# Altium PCB BW1097.PcbDoc (part 5 of 7)
Units mil, origin at the board's own origin, x right, y up, seen from the top; angles counter-clockwise.
Board outline 4330.71 x 2362.21 mil, 6 copper layers (Top Copper, Signal Layer 1, Signal Layer 2, Signal Layer 3, Signal Layer 4, Bottom Copper), stack 62.873 mil thick; 270 components, 263 nets, 1210 pads, 777 vias.
Unrouted connection lines stored in the file: 24.
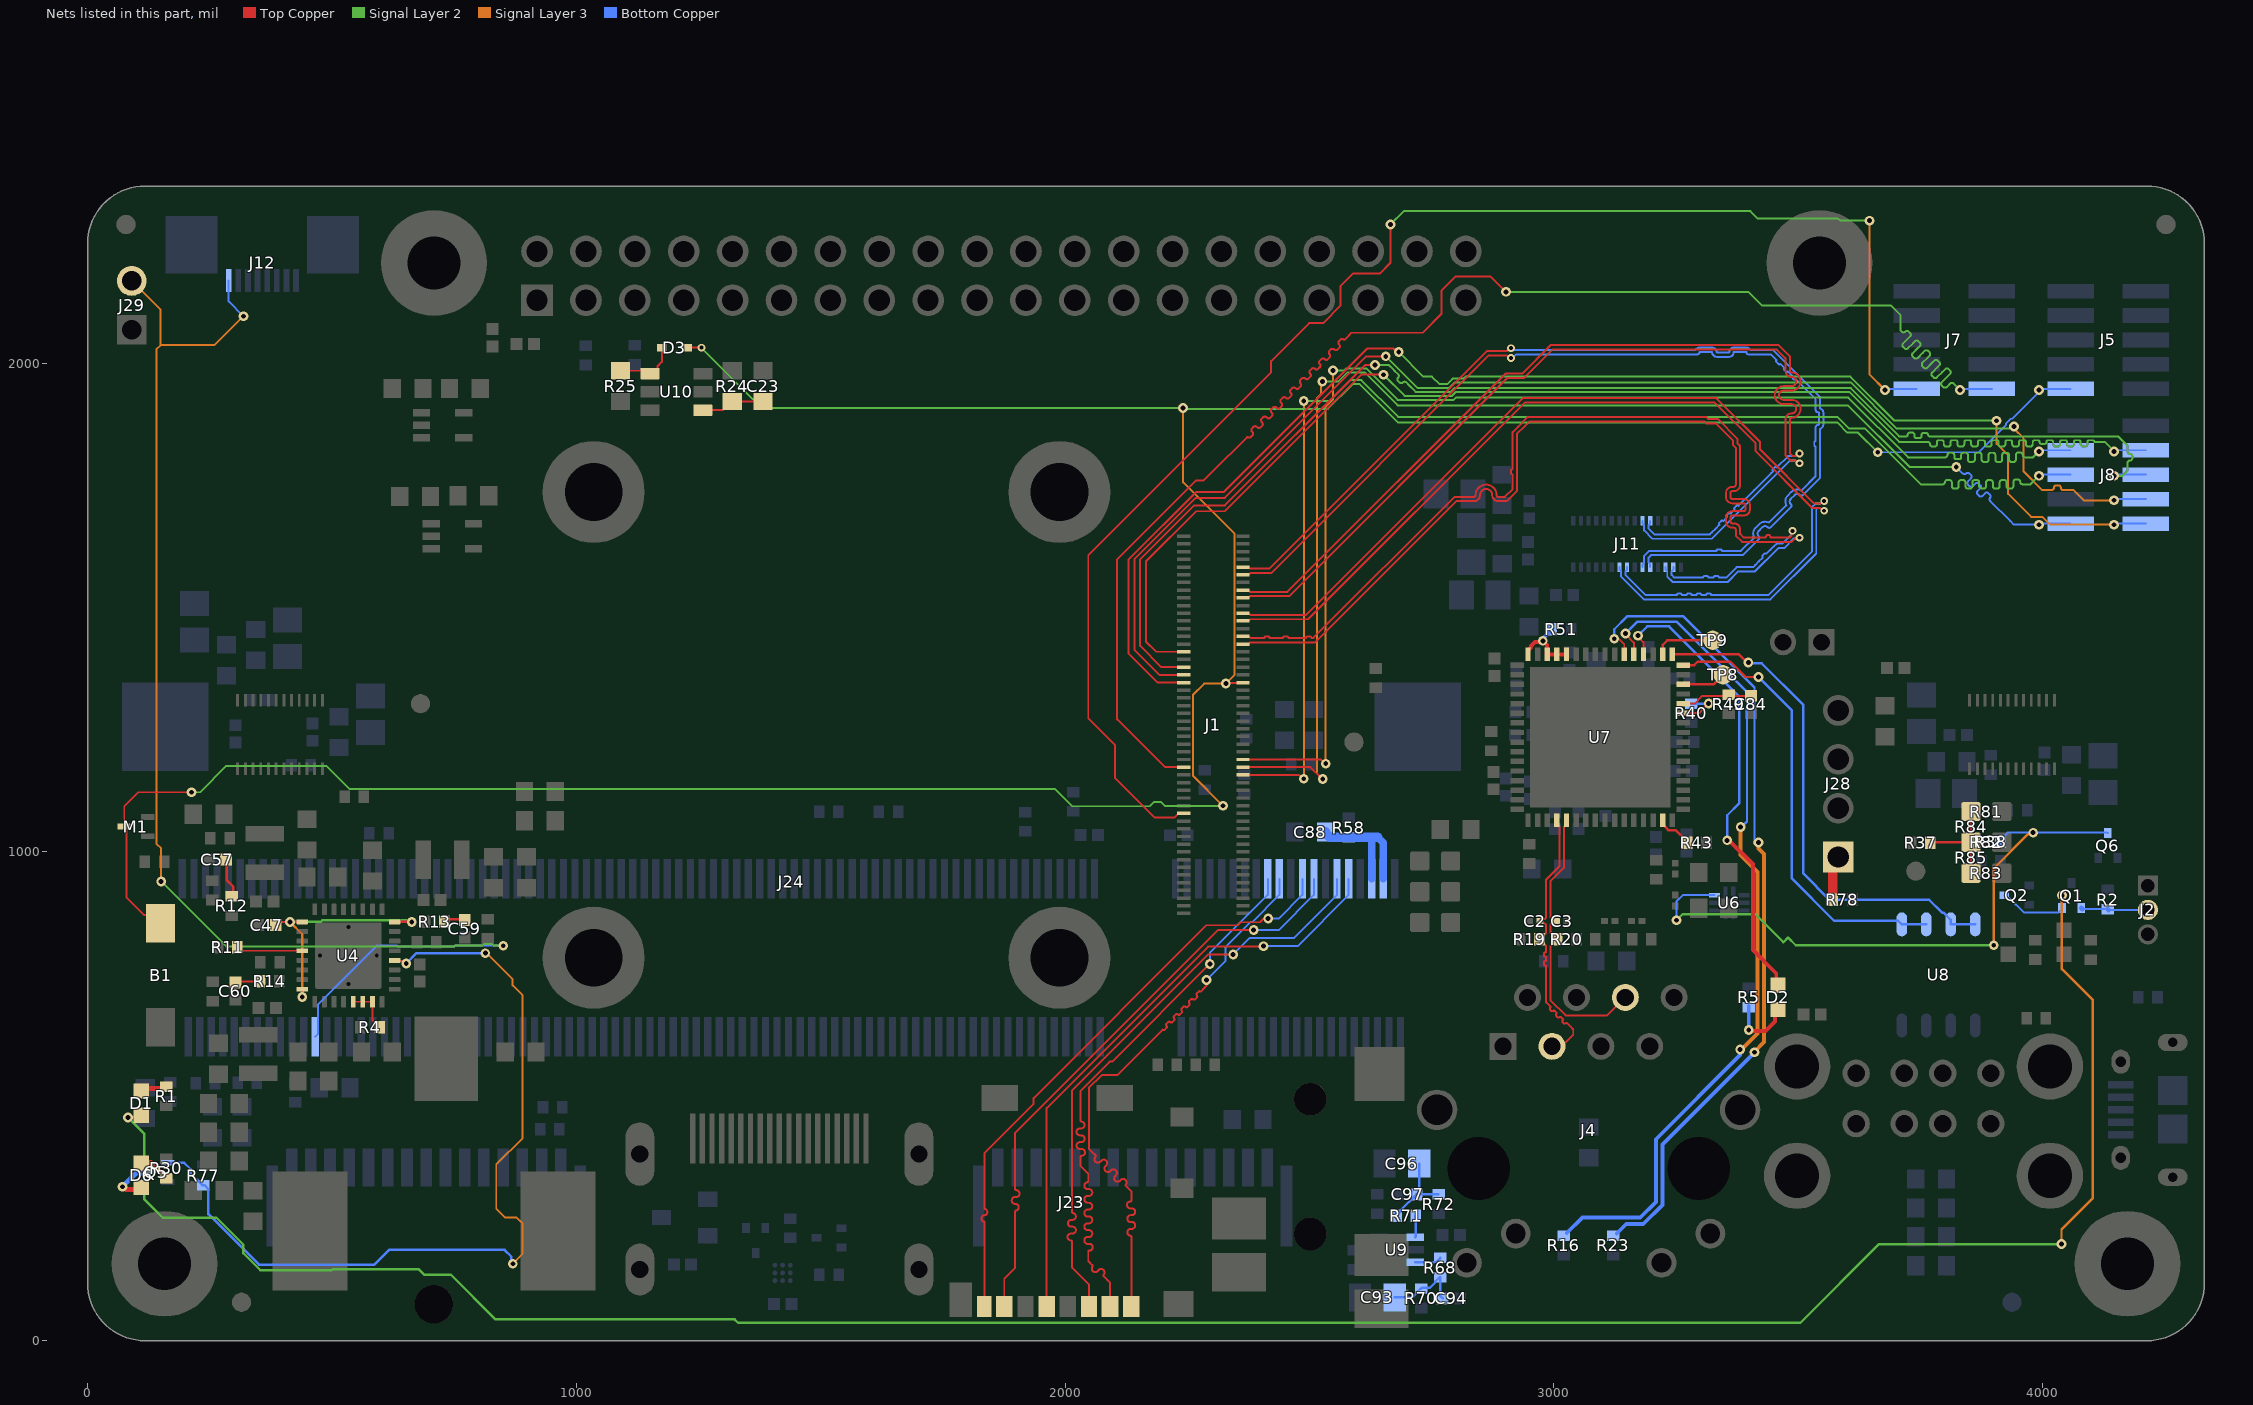
[diagram p9: the nets of this part, all layers, seen from the top]

## Via types
v1: diameter 20, hole 10, Top Copper to Bottom Copper, tented both sides, 657 vias
v2: diameter 16, hole 8, Top Copper to Bottom Copper, tented both sides, 102 vias
v3: diameter 20, hole 10, Top Copper to Bottom Copper, 16 vias
v4: diameter 62.99/0/0/0/0/62.99 (per signal layer), hole 62.99, Top Copper to Bottom Copper, 1 vias
v5: diameter 43.31/50/50/50/50/43.31 (per signal layer), hole 43.31, Top Copper to Bottom Copper, 1 vias

## Nets (pads, with @x,y where several pads share a name; then routed paths per layer and width w, separated by ;. In a path a pad name is that pad's centre, name@x,y a point inside that pad or via, vN(x,y) a via of type N, cw(c..) or ccw(c..) an arc to the next point about the centre after c; other vN are vias at no path point) (continued)
MIPI_RX4_D0_N: J1.9 J11.5 | length 2059.9
  Top Copper w4: J1.9@2364.92,1582.78 2375.35,1582.78 2378.72,1579.4 2417.66,1579.4 2863.18,2024.92 2903.81,2024.92 2909.31,2030.42 v2(2912.16,2030.42)
  Bottom Copper w4: v2(2912.16,2030.42) 2915,2030.42 2918.64,2026.78 3289.72,2026.78 cw(c3298.09,2022.28) 3298.09,2031.78 3323.09,2031.78 cw(c3323.09,2022.28) 3332.59,2022.28 ; J11.5@3196.85,1582.68 3196.85,1588.19 3193.48,1591.56 3193.48,1601.96 3198.46,1606.95 3386.13,1606.95 3418.66,1639.48 ccw(c3415.48,1642.66) 3419.98,1642.66 ccw(c3415.48,1642.66) 3418.64,1645.86 cw(c3423.96,1651.15) 3418.66,1656.45 3426.44,1664.23 cw(c3431.74,1658.93) 3437.04,1664.23 ccw(c3440.23,1667.41) 3443.41,1664.23 3484.4,1705.22 ccw(c3481.22,1708.4) 3485.72,1708.4 ccw(c3481.22,1708.4) 3484.4,1711.59 cw(c3489.7,1716.89) 3484.4,1722.19 3492.18,1729.97 cw(c3497.48,1724.67) 3502.78,1729.97 ccw(c3505.97,1733.15) 3509.15,1729.97 3544.42,1765.24 3544.42,1865.31 ccw(c3539.92,1875.89) 3551.42,1875.89 3551.42,1896.89 ccw(c3539.92,1896.89) 3544.42,1907.47 3544.42,1929.75 3447.39,2026.78 3401.46,2026.78 ccw(c3393.09,2022.28) 3393.09,2031.78 3368.09,2031.78 ccw(c3368.09,2022.28) 3358.59,2022.28 ; 3333.09,2021.78 3358.09,2021.78
MIPI_RX4_D0_P: J1.11 J11.6 | length 2060.9
  Top Copper w4: J1.11@2364.92,1567.03 2375.35,1567.03 2378.72,1570.4 2421.39,1570.4 2866.9,2015.92 2903.81,2015.92 2909.31,2010.42 v2(2912.16,2010.42)
  Bottom Copper w4: v2(2912.16,2010.42) 2915,2010.42 2922.37,2017.78 3293.09,2017.78 ccw(c3293.09,2022.28) 3297.59,2022.28 ; J11.6@3181.1,1582.68 3181.1,1588.19 3184.48,1591.56 3184.48,1605.69 3194.74,1615.95 3326.69,1615.95 3332.19,1615.95 cw(c3335.19,1615.95) 3335.19,1618.95 3340.19,1618.95 cw(c3340.19,1615.95) 3343.19,1615.95 3382.4,1615.95 3383.22,1616.78 3409.56,1643.11 cw(c3423.96,1651.15) 3412.29,1662.82 3420.07,1670.59 cw(c3431.74,1658.93) 3439.78,1673.33 3475.3,1708.85 cw(c3489.7,1716.89) 3478.04,1728.56 3485.81,1736.33 cw(c3497.48,1724.67) 3505.52,1739.07 3535.42,1768.97 3535.42,1799.21 3535.42,1829.14 cw(c3535.42,1832.14) 3532.42,1832.14 3532.42,1837.14 cw(c3535.42,1837.14) 3535.42,1840.14 3535.42,1851.14 3535.42,1856.64 3535.42,1868.89 cw(c3539.92,1868.89) 3539.92,1873.39 ccw(c3539.92,1875.89) 3542.42,1875.89 3542.42,1896.89 ccw(c3539.92,1896.89) 3539.92,1899.39 cw(c3539.92,1903.89) 3535.42,1903.89 3535.42,1926.03 3516.15,1945.29 3494.22,1967.22 cw(c3492.1,1969.34) 3489.98,1967.22 3486.44,1970.76 cw(c3488.56,1972.88) 3486.44,1975 3478.66,1982.78 cw(c3476.54,1984.9) 3474.42,1982.78 3470.88,1986.32 cw(c3473.01,1988.44) 3470.88,1990.56 3463.11,1998.34 cw(c3460.98,2000.46) 3458.86,1998.34 3455.33,2001.87 cw(c3457.45,2003.99) 3455.33,2006.11 3447.55,2013.89 3443.66,2017.78 3398.09,2017.78 cw(c3398.09,2022.28) 3393.59,2022.28 ; 3298.09,2022.78 3323.09,2022.78 ; 3323.59,2022.28 ccw(c3333.09,2022.28) 3333.09,2012.78 3358.09,2012.78 ccw(c3358.09,2022.28) 3367.59,2022.28 ; 3368.09,2022.78 3393.09,2022.78
MIPI_RX4_D1_N: J1.15 J11.26 | length 2062.8
  Top Copper w3.96: 2901.14,1978.63 2913.81,1978.63 ; 2913.83,1978.61 2934.96,1978.61 2992.87,2036.52 3459.76,2036.52 3482.44,2013.83 3482.44,1984.26 ccw(c3486.01,1984.26) 3486.01,1980.69 cw(c3486.01,1962.26) 3504.44,1962.26 cw(c3486.01,1962.26) 3486.01,1943.82 3469.92,1943.82 ccw(c3469.92,1934.34) 3469.92,1924.86 3486.01,1924.86 cw(c3486.01,1906.43) 3504.44,1906.43 cw(c3486.01,1906.43) 3486.01,1887.99 ccw(c3486.01,1884.43) 3482.44,1884.43 3482.44,1815.25 3488.08,1809.61 3493.99,1809.61 3499.51,1815.13 v2(3502.33,1815.13)
  Top Copper w4: J1.15@2364.92,1535.53 2375.1,1535.53 2378.57,1532.06 2454.57,1532.06 2901.14,1978.63
  Bottom Copper w4: J11.26@3196.85,1677.17 3196.85,1671.65 3193.48,1668.28 3193.48,1661.32 3205.19,1649.61 3318.9,1649.61 3322.79,1653.5 3330.57,1661.27 3338.34,1669.05 cw(c3340.46,1671.17) 3338.34,1673.29 3341.88,1676.83 cw(c3344,1674.71) 3346.12,1676.83 3353.9,1684.61 cw(c3356.02,1686.73) 3353.9,1688.85 3357.44,1692.39 cw(c3359.56,1690.27) 3361.68,1692.39 3369.46,1700.16 cw(c3371.58,1702.29) 3369.46,1704.41 3372.99,1707.94 cw(c3375.11,1705.82) 3377.23,1707.94 3409.45,1740.16 3444.19,1774.89 3448.07,1778.78 cw(c3450.2,1780.9) 3448.07,1783.03 3451.61,1786.56 cw(c3453.73,1784.44) 3455.85,1786.56 3478.92,1809.63 3493.99,1809.63 3499.49,1815.13 v2(3502.33,1815.13)
MIPI_RX4_D1_P: J1.17 J11.25 | length 2063.9
  Top Copper w3.96: 2904.89,1969.65 2913.83,1969.65 2938.67,1969.65 2996.58,2027.56 3456.05,2027.56 3473.49,2010.12 3473.49,1984.26 ccw(c3486.01,1984.26) 3486.01,1971.73 cw(c3486.01,1962.26) 3495.49,1962.26 cw(c3486.01,1962.26) 3486.01,1952.78 3469.92,1952.78 ccw(c3469.92,1934.34) 3469.92,1915.91 3486.01,1915.91 cw(c3486.01,1906.43) 3495.49,1906.43 cw(c3486.01,1906.43) 3486.01,1896.95 ccw(c3486.01,1884.43) 3473.49,1884.43 3473.49,1811.54 3484.37,1800.65 3493.99,1800.65 3499.51,1795.13 v2(3502.33,1795.13)
  Top Copper w4: J1.17@2364.92,1519.79 2375.3,1519.79 2378.57,1523.06 2458.3,1523.06 2904.87,1969.63
  Bottom Copper w4: J11.25@3181.1,1677.17 3181.1,1671.65 3184.48,1668.28 3184.48,1657.6 3201.46,1640.61 3322.63,1640.61 3482.65,1800.63 3493.99,1800.63 3499.49,1795.13 v2(3502.33,1795.13)
MIPI_RX5_D0_N: J1.21 J11.8 | length 2061.3
  Top Copper w3.96: 3306.98,1928.29 3316.7,1928.29 ; 3316.72,1928.27 3332.43,1928.27 3421.44,1839.25 3421.44,1823.51 3532.56,1712.39 3544.42,1712.39 3549.94,1717.92 v2(3552.76,1717.92)
  Top Copper w4: J1.21@2364.92,1488.29 2375.35,1488.29 2378.73,1484.92 2493.06,1484.92 2936.44,1928.29 3306.98,1928.29
  Bottom Copper w3.96: 3404.85,1525.42 3413.83,1525.42 3438.81,1525.39 3527.55,1614.13 3527.55,1704.83 3535.11,1712.39 3544.42,1712.39 3549.94,1717.92 v2(3552.76,1717.92)
  Bottom Copper w4: J11.8@3149.61,1582.68 3149.61,1577.17 3146.23,1573.79 3146.23,1566.83 3187.65,1525.42 3246.46,1525.42 3251.46,1525.42 cw(c3254.46,1525.42) 3254.46,1528.42 3258.46,1528.42 cw(c3258.46,1525.42) 3261.46,1525.42 3271.46,1525.42 cw(c3274.46,1525.42) 3274.46,1528.42 3278.46,1528.42 cw(c3278.46,1525.42) 3281.46,1525.42 3291.46,1525.42 cw(c3294.46,1525.42) 3294.46,1528.42 3298.46,1528.42 cw(c3298.46,1525.42) 3301.46,1525.42 3311.46,1525.42 cw(c3314.46,1525.42) 3314.46,1528.42 3318.46,1528.42 cw(c3318.46,1525.42) 3321.46,1525.42 3370.08,1525.42 3404.85,1525.42
MIPI_RX5_D0_P: J1.23 J11.9 | length 2062.5
  Top Copper w3.96: 3303.27,1919.31 3328.72,1919.31 3412.49,1835.54 3412.49,1819.8 3528.85,1703.44 3544.42,1703.44 3549.94,1697.92 v2(3552.76,1697.92)
  Top Copper w4: J1.23@2364.92,1472.54 2375.35,1472.54 2378.72,1475.92 2496.79,1475.92 2940.16,1919.29 3303.25,1919.29
  Bottom Copper w3.96: 3404.85,1516.42 3413.83,1516.42 ; 3413.85,1516.44 3442.52,1516.44 3536.5,1610.42 3536.5,1701.12 3538.82,1703.44 3544.42,1703.44 3549.94,1697.92 v2(3552.76,1697.92)
  Bottom Copper w4: J11.9@3133.86,1582.68 3133.86,1577.17 3137.23,1573.79 3137.23,1563.11 3183.92,1516.42 3404.85,1516.42
MIPI_RX5_D1_N: J1.27 J11.2 | length 2062.3
  Top Copper w3.96: 2507.91,1437.67 2796.62,1726.38 2836.12,1726.38 ccw(c2836.12,1729.94) 2839.68,1729.94 cw(c2861.12,1729.94) 2882.55,1729.94 ccw(c2886.12,1729.94) 2886.12,1726.38 2899.64,1726.38 2915.22,1741.96 2915.22,1762.58 2915.22,1772.12 cw(c2915.22,1775.12) 2912.22,1775.12 2912.22,1780.08 cw(c2915.22,1780.08) 2915.22,1783.08 2915.22,1794.03 2915.22,1799.51 2915.22,1858.69 2926.71,1870.19 2946.26,1889.76 ; 3380.91,1830.32 3380.91,1817.65 3380.88,1804.89 3380.88,1751.13 cw(c3367.69,1751.13) 3367.69,1737.93 3364.99,1737.93 ccw(c3364.99,1733.69) 3360.75,1733.69 3360.75,1726.22 ccw(c3364.99,1726.22) 3364.99,1721.98 3387.82,1721.98 cw(c3387.82,1708.78) 3401.01,1708.78 3401.01,1701.31 cw(c3387.82,1701.31) 3387.82,1688.11 3364.99,1688.11 ccw(c3364.99,1683.87) 3360.75,1683.87 3360.75,1676.39 ccw(c3364.99,1676.39) 3364.99,1672.15 3367.69,1672.15 cw(c3367.69,1658.95) 3380.88,1658.95 3380.88,1650.61 3388.47,1643.02 3429.17,1643.02 3431.78,1643.02 ccw(c3431.78,1644.89) 3433.65,1644.89 cw(c3436.78,1644.89) 3436.78,1648.02 3439.47,1648.02 cw(c3439.47,1644.89) 3442.6,1644.89 ccw(c3444.47,1644.89) 3444.47,1643.02 3448.82,1643.02 3469.86,1643.02 3478.84,1643.02
  Top Copper w4: J1.27@2364.92,1441.05 2375.35,1441.05 2378.73,1437.67 2401.84,1437.67 2407.34,1437.67 cw(c2410.34,1437.67) 2410.34,1440.67 2415.34,1440.67 cw(c2415.34,1437.67) 2418.34,1437.67 2425.2,1437.67 2440.3,1437.67 2445.8,1437.67 cw(c2448.8,1437.67) 2448.8,1440.67 2453.8,1440.67 cw(c2453.8,1437.67) 2456.8,1437.67 2466.54,1437.67 2487.21,1437.67 2492.71,1437.67 cw(c2495.71,1437.67) 2495.71,1440.67 2500.71,1440.67 cw(c2500.71,1437.67) 2503.71,1437.67 2507.88,1437.67 ; 2946.26,1889.76 3311.02,1889.76 3314.96,1885.83 3334.65,1885.83 3375.3,1845.17 3375.3,1835.93 3380.91,1830.32 ; 3478.86,1643.05 3482.18,1643.05 3486.18,1647.05 3486.18,1654.82 v2(3488.19,1656.83)
  Bottom Copper w4: J11.2@3244.09,1582.68 3244.09,1577.17 3240.72,1573.79 3240.72,1566.83 3246.43,1561.12 3299.19,1561.12 3304.69,1561.12 cw(c3307.69,1561.12) 3307.69,1564.12 3312.69,1564.12 cw(c3312.69,1561.12) 3315.69,1561.12 3326.69,1561.12 cw(c3329.69,1561.12) 3329.69,1564.12 3334.69,1564.12 cw(c3334.69,1561.12) 3337.69,1561.12 3348.69,1561.12 3351.94,1561.12 3373.5,1582.68 3379,1582.68 3390,1582.68 3401,1582.68 3407.47,1582.68 3411.36,1586.57 3419.14,1594.34 3426.92,1602.12 cw(c3429.04,1604.24) 3426.92,1606.37 3430.46,1609.9 cw(c3432.58,1607.78) 3434.7,1609.9 3442.48,1617.68 3449.8,1625 3455.26,1630.46 3466.96,1630.46 3486.18,1649.68 3486.18,1654.82 v2(3488.19,1656.83)
MIPI_RX5_D1_P: J1.29 J11.3 | length 2063.9
  Top Copper w3.96: 2511.61,1428.67 2520.57,1437.63 2800.33,1717.42 2836.12,1717.42 ccw(c2836.12,1729.94) 2848.64,1729.94 cw(c2861.12,1729.94) 2873.6,1729.94 ccw(c2886.12,1729.94) 2886.12,1717.42 2903.35,1717.42 2924.18,1738.25 2924.18,1795.51 2924.18,1854.98 2939.37,1870.17 ; 3371.93,1826.57 3371.93,1817.63 3371.93,1803.15 3371.93,1751.13 cw(c3367.69,1751.13) 3367.69,1746.89 3364.99,1746.89 ccw(c3364.99,1733.69) 3351.8,1733.69 3351.8,1726.22 ccw(c3364.99,1726.22) 3364.99,1713.02 3387.82,1713.02 cw(c3387.82,1708.78) 3392.06,1708.78 3392.06,1701.31 cw(c3387.82,1701.31) 3387.82,1697.06 3364.99,1697.06 ccw(c3364.99,1683.87) 3351.8,1683.87 3351.8,1676.39 ccw(c3364.99,1676.39) 3364.99,1663.19 3367.69,1663.19 cw(c3367.69,1658.95) 3371.93,1658.95 3371.93,1646.9 3384.76,1634.07 3469.86,1634.07 ; 3469.89,1634.05 3478.86,1634.05
  Top Copper w4: J1.29@2364.92,1425.3 2375.35,1425.3 2378.72,1428.67 2511.61,1428.67 ; 2939.4,1870.17 2949.99,1880.76 3307.3,1880.76 3311.23,1876.83 3330.92,1876.83 3366.3,1841.45 3366.3,1832.2 3371.91,1826.59 ; 3478.86,1634.05 3485.91,1634.05 3492.54,1640.68 3500.32,1640.68 v2(3502.33,1642.69)
  Bottom Copper w4: J11.3@3228.35,1582.68 3228.35,1577.17 3231.72,1573.79 3231.72,1563.11 3242.7,1552.12 3355.67,1552.12 3377.22,1573.68 3411.2,1573.68 3458.99,1621.46 3470.69,1621.46 3489.91,1640.68 3500.32,1640.68 v2(3502.33,1642.69)
MODULE_nRST: B1.2 D3.2 J1.39 J5.1 M1.3 | length 6606.9
  Top Copper w4: B1.2@149.61,854.21 133.21,870.6 116.42,870.6 79.44,907.58 79.44,1047.81 75.54,1051.72 M1.3@75.11,1051.72 75.11,1093.81 103.34,1122.05 v1(212.6,1122.05) ; D3.2@1226.77,2031.5 v2(1255.91,2031.5) ; v1(2328.68,1344.22) 2329.85,1345.39 J1.39@2363.75,1345.39 ; J1.39@2363.75,1344.91 J1.39@2365.29,1346.46
  Signal Layer 2 w4: v1(212.6,1122.05) 230.24,1122.05 284.03,1175.83 488.46,1175.83 535.55,1128.74 1979.14,1128.74 2014.52,1093.36 2173.37,1093.36 2182.49,1102.47 2195.75,1102.47 2203.88,1094.34 v1(2322.83,1094.34) ; v2(1255.91,2031.5) 1379.58,1907.82 v1(2241.31,1907.82) 2242.65,1906.49 2537.4,1906.49 2587.86,1956.94 2602.52,1956.94 2681.5,1877.95 3580.23,1877.95 3600.3,1857.89 3621.93,1857.89 v1(3662.23,1817.59)
  Signal Layer 3 w4: v1(2241.31,1907.82) 2241.31,1755.98 2346.7,1650.59 2346.7,1362.24 v1(2328.68,1344.22) 2284.24,1344.22 2261.5,1321.48 2261.5,1155.66 v1(2322.83,1094.34)
  Bottom Copper w4: v1(3662.23,1817.59) 3868.77,1817.59 3924.94,1873.76 3924.94,1876.7 3934.31,1886.08 3937.26,1886.08 3994.49,1943.31 v1@3994.49,1947.24 ; v1(3992.13,1944.88) v1@3994.49,1947.24 ; J5.1@4057.09,1947.24 v1@3994.49,1947.24
NetC57_1: C57.1 R12.1 | length 82.7
  Top Copper w5: C57.1@283.27,984.25 284.48,983.04 284.48,942.52 298.44,928.56 298.44,912.02 R12.1@295.47,909.05
NetC59_1: C59.1 R13.1 | length 44.9
  Top Copper w5: R13.1@729.86,856.77 735.3,862.22 769.67,862.22 C59.1@771.65,860.24
NetC60_1: C60.1 R14.1 | length 51.4
  Top Copper w4: C60.1@302.56,733.01 304.53,734.97 R14.1@353.11,734.97
NetC93_2: C93.2 C94.2 R68.2 R70.2 | length 158
  Bottom Copper w5: C93.2@2674.34,88.58 2710.63,88.58 2718.05,96 2718.05,97.97 2726.38,106.3 R70.2@2728.35,106.3 2729.96,107.92 2745.71,107.92 2757.42,119.63 2757.42,121.59 2765.75,129.92 R68.2@2767.72,129.92 2767.72,91.24 C94.2@2772.34,86.61
NetC96_2: C96.2 C97.2 R71.2 R72.2 | length 181.5
  Bottom Copper w5: C97.2@2721.46,299.21 R72.2@2763.78,299.21 ; C96.2@2724.41,362.2 2724.41,305.12 C97.2@2718.5,299.21 2686.48,267.18 R71.2@2686.48,266.2 ; R71.2@2686.48,266.2 2686.48,264.23 R71.2@2678.15,255.91 2678.15,257.87 R71.2@2686.48,266.2
NetD1_1: D1.1 Q1.2 Q2.3 | length 5244.1
  Top Copper w5: v1(82.68,456.69) D1.1@110.24,456.69
  Signal Layer 2 w5: v1(82.68,456.69) 115.72,423.65 115.72,289.79 153.54,251.97 263.33,251.97 318.46,196.84 318.46,179.18 353.21,144.42 499.81,144.42 501.81,146.42 677.4,146.42 688.52,135.3 742.93,135.3 834.56,43.67 1323.65,43.67 1330.64,36.68 3504.04,36.68 3664.97,197.62 v1(4038.19,197.62)
  Signal Layer 3 w5: v1(4038.19,197.62) 4038.19,227.44 4102.36,291.62 4102.36,696.85 4039.15,760.06 v1(4039.15,911.11)
  Bottom Copper w4: Q2.3@3921.26,911.4 3927.13,905.53 3931.84,905.53 3961.6,875.76 4031.94,875.76 4039.15,882.98 Q1.2@4039.15,885.14
  Bottom Copper w5: Q1.2@4039.15,885.14 v1(4039.15,911.11)
NetD1_2: D1.2 R1.1 | length 52.8
  Top Copper w4: R1.1@157.48,515.75 R1.1@161.42,519.69
  Top Copper w10: D1.2@110.24,515.75 R1.1@157.48,515.75
NetD2_2: D2.2 R5.1 | length 133.3
  Top Copper w8: v1(3398.43,635.56) 3400.09,633.9 3432.57,633.9 3452,653.33 3452,666.52 D2.2@3458.22,672.74
  Bottom Copper w8: v1(3398.43,635.56) R5.1@3398.43,684.55
NetD6_1: D6.1 Q5.3 | length 98
  Top Copper w10: v1(71.43,314.96) 73.05,314.96 78.96,309.06 D6.1@110.24,309.06
  Bottom Copper w10: v1(71.43,314.96) 100.62,344.15 Q5.3@116.1,344.15
NetD6_2: D6.2 R30.1 | length 67
  Top Copper w10: D6.2@110.24,368.11 113.89,364.45 129.64,364.45 150.62,343.47 150.62,341.5 159.45,332.68 R30.1@161.42,332.68
NetJ2_2: J2.2 Q1.1 R2.2 | length 138.1
  Bottom Copper w4: Q1.1@4080.81,882.86 R2.2@4132.95,882.86 ; R2.2@4134.61,881.2 J2.2@4214.99,881.2
  Bottom Copper w10: Q1.1@4078.52,885.14 Q1.1@4080.81,882.86 ; R2.2@4132.95,882.86 R2.2@4134.61,881.2
NetJ28_1: J28.1 R78.1 | length 91.5
  Top Copper w10: J28.1@3570.47,978.36 J28.1@3581.53,989.42
  Top Copper w20: R78.1@3570.47,902.52 J28.1@3570.47,978.36
NetQ6_3: Q6.3 R38.2 U6.10 | length 1322.1
  Signal Layer 2 w5: v1(3250.59,860.05) 3263.3,872.77 3411.68,872.77 3469.23,815.21 3478.83,824.8 3494.58,809.06 v1(3899.61,809.06)
  Signal Layer 3 w5: v1(3899.61,809.06) 3899.61,966.25 3969.85,1036.5 3977.45,1036.5 v1(3980.32,1039.37)
  Bottom Copper w4: v1(3250.59,860.05) 3250.59,898.62 3263.54,911.57 U6.10@3328.38,911.57 ; R38.2@3913.39,1024.86 3927.9,1039.37 3964.56,1039.37 ; Q6.3@4132.95,1038.19 4131.77,1039.37 v1(3980.32,1039.37) ; 3964.56,1039.37 v1(3980.32,1039.37) ; 3964.56,1039.37 3976.06,1039.37 3978.19,1037.24 v1(3980.32,1039.37)
NetR37_2: R37.2 R81.1 R82.1 R83.1 R84.1 R84.2 R85.1 R85.2 | length 183.7
  Top Copper w5: R37.2@3770.02,1018.3 3771.2,1019.49 R85.1@3853.21,1019.49 ; R85.2@3853.21,969.49 R85.1@3853.21,1019.49 ; R84.1@3853.21,1069.49 R85.1@3853.21,1019.49
NetR40_2: R40.2 U7.11 | length 96.3
  Top Copper w5: U7.11@3264.17,1283.68 3296.69,1283.68 v1(3316.38,1303.37)
  Bottom Copper w5: R40.2@3280.43,1303.37 v1(3316.38,1303.37)
NetR43_2: R43.2 U7.63 | length 75.4
  Top Copper w5: U7.63@3222.44,1064.79 3222.44,1056.72 3230.11,1049.04 3230.11,1048.51 3234.57,1044.06 3249.57,1044.06 3272.68,1020.95 R43.2@3272.68,1018.98
NetR51_2: R51.2 U7.28 U7.29 U7.30 U7.32 | length 153.6
  Top Copper w8: U7.32@2946.85,1404.16 2946.85,1412.23 2953.02,1418.4 2953.02,1421.05 2961.41,1429.44 2974.83,1429.44 v1(2977.13,1431.74) 2986.01,1422.85 U7.30@2986.01,1404.36 ; U7.30@2984.71,1405.67 U7.30@2986.01,1404.36 ; U7.28@3025.59,1404.16 U7.29@3005.91,1404.16 U7.30@2986.22,1404.16 U7.30@2986.01,1404.36
  Bottom Copper w8: v1@2973.09,1432.4 2986.87,1446.18 2988.84,1446.18 2995.67,1453 R51.2@2995.67,1454.97
NetR68_1: R68.1 U9.6 | length 55.2
  Bottom Copper w5: U9.6@2716.08,160.64 2754.49,160.64 2754.81,160.96 2759.39,160.96 R68.1@2767.72,169.29
NetR71_1: R71.1 U9.4 | length 44.7
  Bottom Copper w5: U9.4@2716.08,211.82 2717.52,213.27 R71.1@2717.52,255.91
nFDX_LED: D2.1 U7.20 | length 958.9
  Top Copper w4: v1(3171.73,1442.32) 3171.73,1440.67 3183.07,1429.33 U7.20@3183.07,1404.16
  Top Copper w8: v1(3354.32,1023.62) 3358.26,1023.62 3406.85,975.04 3406.85,968.83 3406.89,968.79 3406.89,953.88 3406.85,953.83 3406.85,799.03 3454.68,751.2 3454.68,735.33 D2.1@3458.22,731.79
  Bottom Copper w5: v1(3171.73,1442.32) 3190.79,1461.38 3235.48,1461.38 3378.74,1318.12 3378.74,1099.37 3354.32,1074.95 v1(3354.32,1023.62)
nLNKA_LED: R16.1 U7.21 | length 1727.5
  Top Copper w4: v1(3146.52,1446.79) 3146.52,1444.9 3163.39,1428.04 U7.21@3163.39,1404.16
  Signal Layer 3 w8: v1(3380.91,595.47) 3383.79,595.47 3416.43,628.11 3416.43,959.25 3381.88,993.8 v1(3381.88,1051.18)
  Bottom Copper w5: v1(3146.52,1446.79) 3170.11,1470.38 3251.47,1470.38 3394.83,1327.02 3394.83,1062.15 3383.86,1051.18 v1(3381.88,1051.18)
  Bottom Copper w8: R16.1@3026.06,219.94 3058.28,252.16 3176.37,252.16 3208.27,284.06 3208.27,412.17 3380.91,584.81 v1(3380.91,595.47)
nMR: C23.2 R24.1 U10.4 | length 130.4
  Top Copper w4: U10.4@1258.86,1903.54 1299.21,1903.54 1316.93,1921.26 R24.1@1318.9,1921.26 C23.2@1381.89,1921.26
nRESET: C84.2 R49.2 U7.12 | length 133.5
  Top Copper w4: U7.12@3264.17,1303.37 3287.62,1303.37 3303.62,1319.37 C84.2@3391.01,1319.37
nSPD_LED: R23.1 U7.22 | length 1702.3
  Top Copper w4: v1(3123.35,1436.02) 3132.83,1436.02 3143.7,1425.15 U7.22@3143.7,1404.16
  Signal Layer 3 w8: v1(3410.14,590) 3410.14,591.15 3429.83,610.84 3429.83,995.36 3418.11,1007.08 v1(3418.11,1019.29)
  Bottom Copper w5: v1(3123.35,1436.02) 3123.35,1455.41 3149.61,1481.67 3264.61,1481.67 3410.14,1336.14 3410.14,1016.44 3412.98,1019.29 v1(3418.11,1019.29)
  Bottom Copper w8: R23.1@3128.39,219.01 3147.86,238.48 3182.52,238.48 3221.64,277.6 3221.64,401.5 v1(3410.14,590)
PGOOD_1097: Q5.1 R77.1 U4.4 | length 1790.2
  Top Copper w5: U4.4@628.16,778.03 629.39,776.81 643.93,776.81 649.01,771.73 v1(651.99,771.73)
  Signal Layer 3 w4: v1(813.82,792.8) 816.77,792.8 869.83,739.75 869.83,727.09 890.05,706.87 890.05,414.65 836.16,360.75 836.16,270.14 854.33,251.97 877.86,251.97 890.05,239.78 890.05,177.45 v1(870.08,157.48)
  Bottom Copper w5: Q5.1@164.13,363.84 197.93,363.84 211.13,350.64 211.13,342 234.97,318.16 238.91,318.16 247.24,309.84 247.24,259.1 350.61,155.73 586.92,155.73 616.98,185.79 853.29,185.79 867.21,171.87 867.21,160.35 v1(870.08,157.48) ; v1(651.99,771.73) 673.05,792.8 v1(813.82,792.8)
PMIC_EN: R4.1 U4.29 U4.30 U4.31 | length 98.3
  Top Copper w4: U4.29@543.52,693.39 U4.30@563.2,693.39 U4.31@582.89,693.39 582.89,656.11 586.59,652.4 588.56,652.4 597.39,643.58 R4.1@597.39,641.61
PRTCTL2: TP8.1 U7.14 | length 89.8
  Top Copper w5: U7.14@3264.17,1342.74 3326.13,1342.74 TP8.1@3345.82,1362.42
PRTCTL3: U7.16 U8.1 U8.2 | length 924.5
  Top Copper w5: U7.16@3264.17,1382.11 3286.85,1382.11 3294.11,1389.37 3360.45,1389.37 3392.04,1357.78 v1(3418.11,1357.78)
  Bottom Copper w5: v1(3418.11,1357.78) 3485.99,1289.9 3485.99,946.23 3573.25,858.97 3704.37,858.97 U8.1@3711.66,851.67 U8.2@3761.66,851.67
PRTCTL4: U7.17 U8.3 U8.4 | length 1055.8
  Top Copper w5: U7.17@3242.13,1404.16 3378.11,1404.16 3394.65,1387.62 v1(3397.62,1387.62)
  Bottom Copper w5: v1(3397.62,1387.62) 3399.73,1385.52 3425.01,1385.52 3510.06,1300.46 3510.06,955.73 3563.91,901.87 3767.58,901.87 3793.77,875.68 3796.92,875.68 3811.66,860.94 U8.3@3811.66,851.67 U8.4@3861.66,851.67